# Altium PCB carrier.PcbDoc (part 3 of 5) (continued)
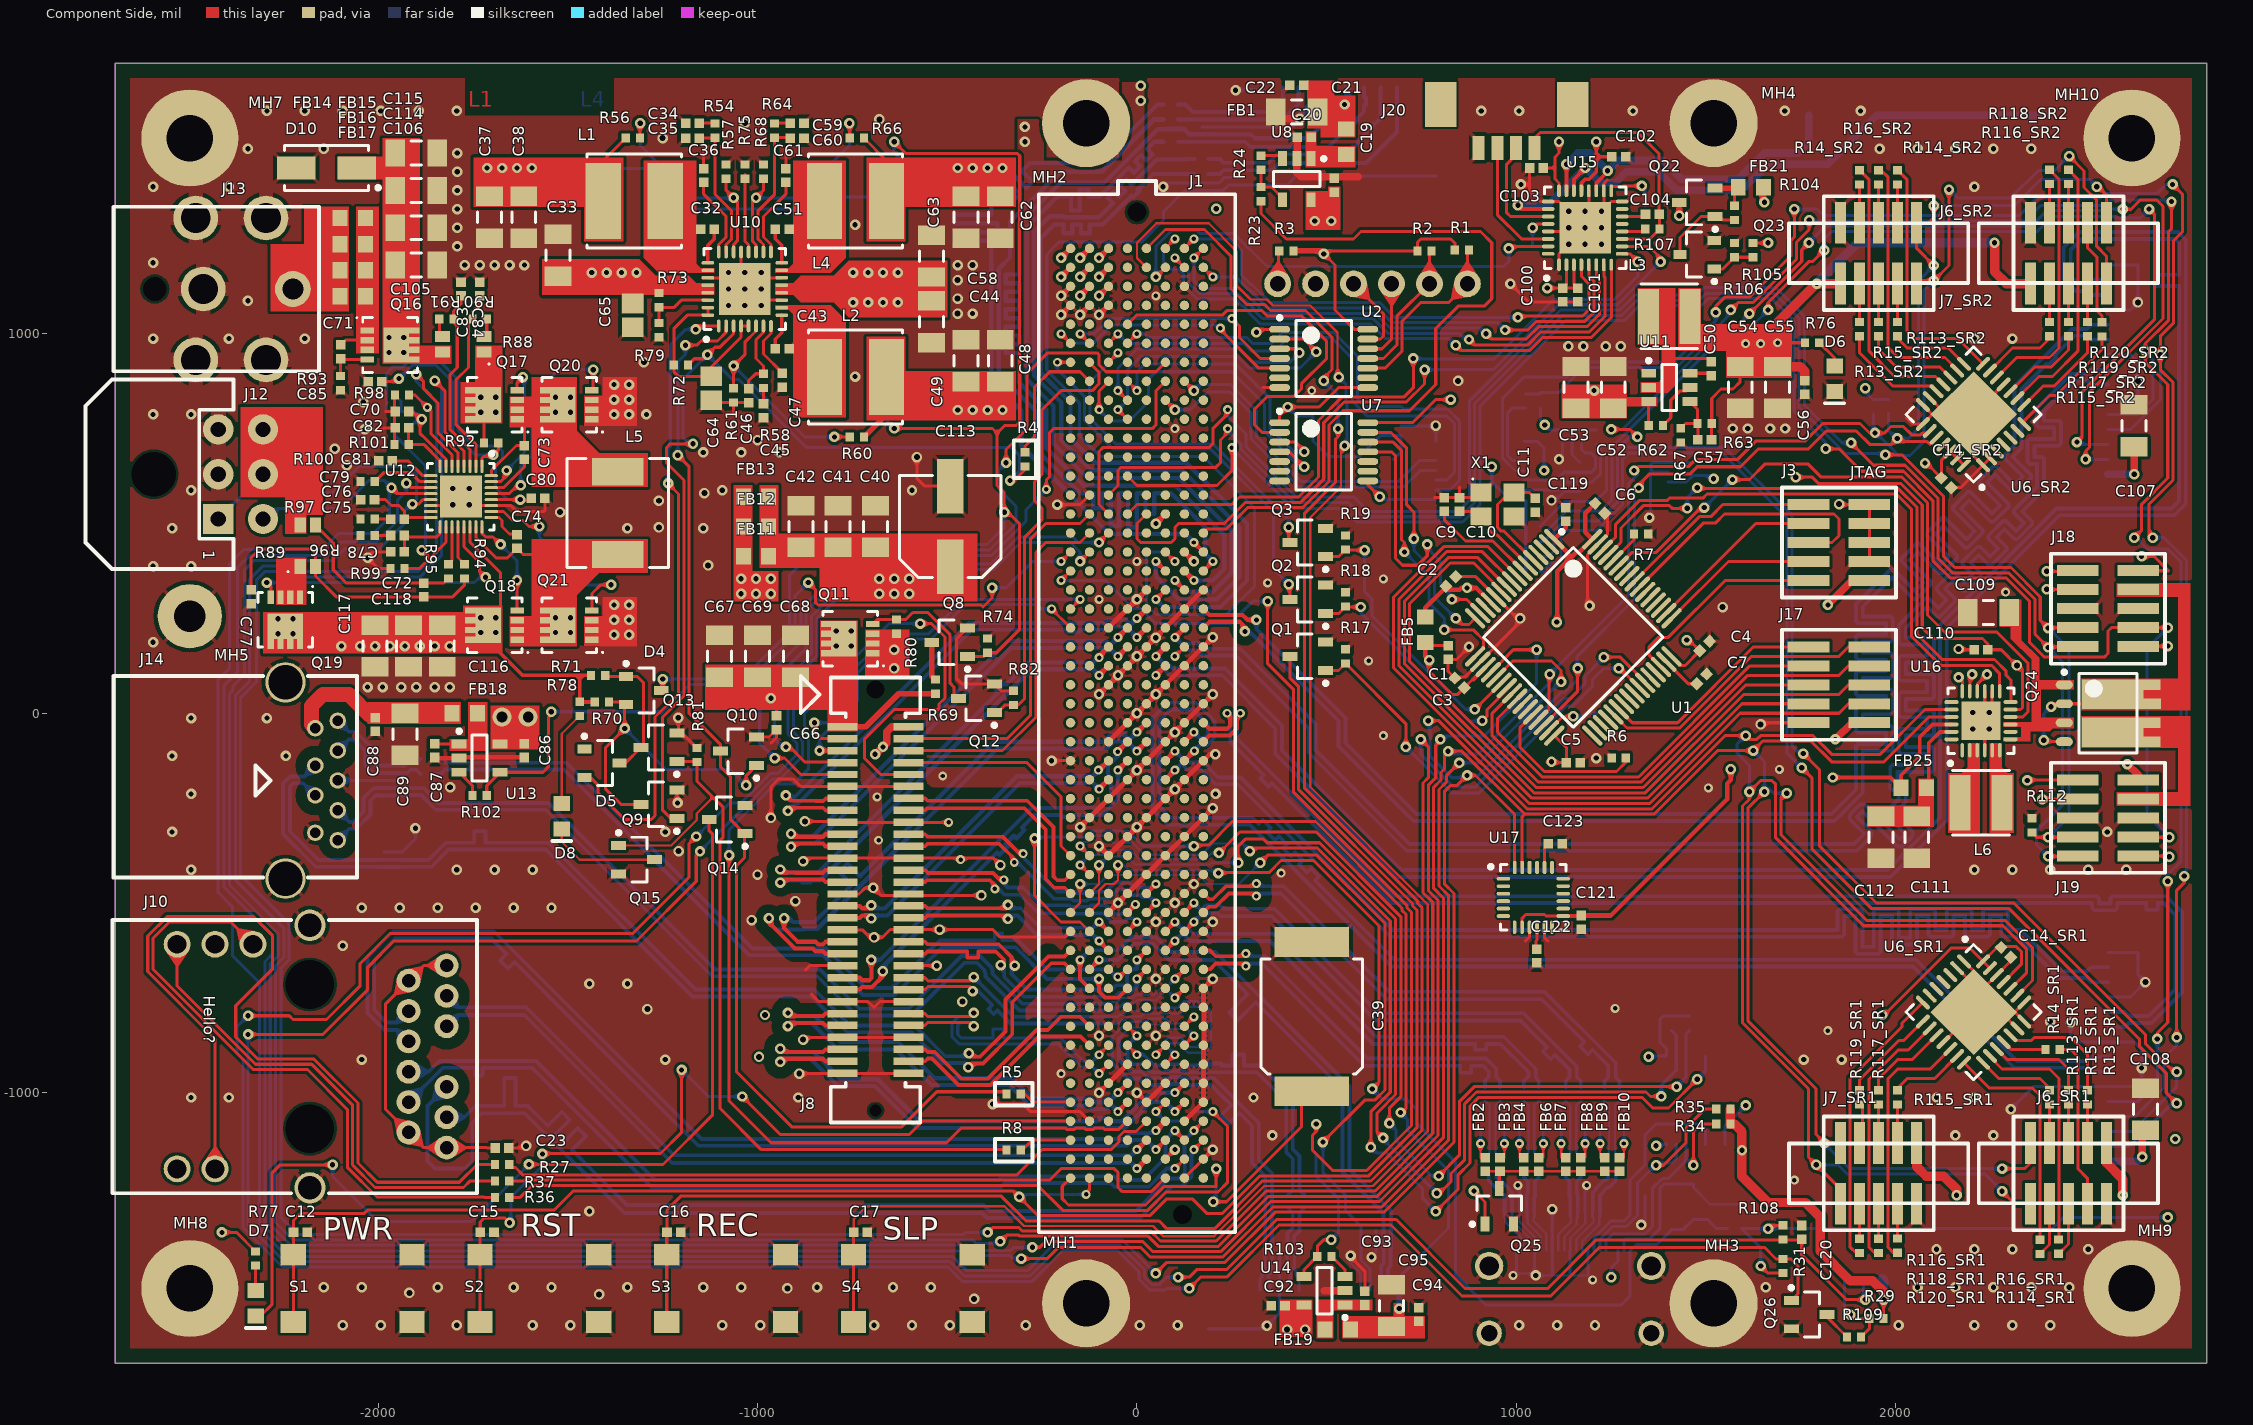
[diagram p0: Component Side view]
## Nets (pads, with @x,y where several pads share a name; then routed paths per layer and width w, separated by ;. In a path a pad name is that pad's centre, name@x,y a point inside that pad or via, vN(x,y) a via of type N, cw(c..) or ccw(c..) an arc to the next point about the centre after c; other vN are vias at no path point) (continued)
I2C_CAM2.SCL: J5.13 R130.1 U3.20 | length 2843.4
  Component Side w8: v1(1663.39,1062.88) 1663.39,1082.56 1771.77,1190.94 1781.5,1190.94 v1(1811.02,1220.47) ; v1(2477.24,714.57) 2491.14,728.46 2491.14,847.44 2681.1,1037.4 2681.1,1314.96 v1(2667.32,1328.74)
  Solder Side w8: R130.1@1062.01,492.13 1128.27,558.39 U3.20@1167.64,558.39 1207.99,558.39 1238,588.39 1238,687.6 1554.34,1003.94 1604.33,1003.94 1663.27,1062.88 v1(1663.39,1062.88) ; v1(1811.02,1220.47) 1811.02,1250 1830.71,1269.68 2372.39,1269.68 2411.76,1309.06 2574.64,1309.06 2578.74,1304.96 2644.96,1304.96 2667.32,1327.32 v1(2667.32,1328.74) ; v1(2477.24,714.57) 2471.34,708.66 J5.13@2559.06,708.66
I2C_CAM2.SDA: J5.14 R129.1 U3.19 | length 3070.8
  Component Side w8: v1(1250,748.03) 1299.21,748.03 v1(1318.9,728.35) ; v1(1614.17,1053.15) 1751.97,1190.94 1751.97,1221.37 v1(1770.76,1240.16) ; v1(2500,669.29) 2500,690.32 2509.84,700.16 2509.84,846.34 2704,1040.5 2704,1336 2687.48,1352.52 2643.86,1352.52 2618.11,1326.77 2616.14,1328.74 v1(2598.42,1328.74)
  Solder Side w8: R129.1@1062.01,452.76 1072.83,452.76 1085.07,465 1085.07,485.78 1132.09,532.8 U3.19@1167.64,532.8 1221.77,532.8 1252,563.02 1252,681.8 1298.55,728.35 v1(1318.9,728.35) ; v1(1250,748.03) 1278.63,748.03 1548.54,1017.94 1578.96,1017.94 v1(1614.17,1053.15) ; v1(1770.76,1240.16) 1814.29,1283.68 2356.52,1283.68 2397.42,1324.58 2555.01,1324.58 2559.17,1328.74 v1(2598.42,1328.74) ; v1(2500,669.29) J5.14@2559.06,669.29
JTCK: J3.4 U1.49 | length 423.2
  Component Side w8: U1.49@1408.9,250.11 1558.79,400 J3.4@1770,400
JTDI: J3.8 U1.50 | length 472.8
  Component Side w8: U1.50@1394.98,264.03 1630.95,500 J3.8@1770,500
JTDO: J3.6 U1.55 | length 740.8
  Component Side w8: U1.55@1325.38,333.63 1493.73,501.97 1525.59,501.97 1548.62,525 1837.2,525 1850,512.2 1850,468.11 1831.89,450 J3.6@1770,450
JTMS: J3.2 U1.46 | length 558.3
  Component Side w8: U1.46@1381.06,122.05 1350,153.11 1350,175 1375,200 1400,200 1550,350 J3.2@1770,350
MCU_SCL: D9.C2 J6_SR1.9 J6_SR2.9 J7_SR1.9 J7_SR2.9 R9.1 R84.1 U1.29 U6_SR1.23 U6_SR2.23 U12.13 U16.21 U17.23 | length 15431.2
  Component Side w8: v1(-1909.45,551.18) -1893.7,551.18 -1881.89,562.99 U12.13@-1861.22,562.99 ; v1(-275.59,-1407.48) -255.91,-1407.48 -240.43,-1392 15.48,-1392 42.43,-1418.95 220.64,-1418.95 352.64,-1286.96 639.23,-1286.96 807.54,-1118.65 807.54,-486.76 782,-461.21 782,-195.2 801.4,-175.8 801.4,-156 810,-147.4 810,-110 v1(820,-100) 856.21,-100 1021.95,-265.75 ; U17.23@1015.07,-406.5 1015.07,-272.63 1021.95,-265.75 ; U1.29@1058.13,-17.14 1086.02,10.74 1086.02,101.11 v1(1087.93,103.02) ; v1(1310.24,639.76) 1320.47,650 1453.15,650 1472.44,669.29 1583.05,669.29 1630.67,716.91 1760.22,716.91 1807.09,763.78 1905.51,763.78 1930.62,738.67 v1(1945.04,738.67) 1945.52,738.19 1969.67,738.19 1987.38,755.91 2019.69,755.91 2041.68,733.91 2065.16,733.91 2069.65,738.41 2079.84,738.41 2081.6,736.66 U6_SR2.23@2089.19,744.25 ; v1(1653.54,-206.69) 1610,-250.24 1610,-810 1790,-990 1790,-1110 1812.4,-1132.4 J7_SR1.9@1854.72,-1132.4 ; v1(1712.6,-210.79) 1697.07,-226.32 1697.07,-320.15 1922.92,-546 2288.24,-546 2360,-617.76 2360,-704.51 U6_SR1.23@2320.26,-744.25 ; J6_SR2.9@2054.72,1132.4 2062.32,1140 v1(2099.72,1140) 2140,1180.28 v1(2140,1380) ; U16.21@2146.65,-9.84 2086.61,-9.84 1968.5,-127.95 1830.71,-127.95 1775.81,-73.06 1649.39,-73.06 v1(1624.02,-98.43) 1530.37,-98.43 1363.05,-265.75 1021.95,-265.75 ; v1(2280,-1200) 2340,-1200 2354.72,-1185.28 J6_SR1.9@2354.72,-1132.4 ; v1(2456.69,1468.5) 2496.06,1429.13 2496.06,1385.83 2529.22,1352.67 2529.22,1230.62 2554.72,1205.12 J7_SR2.9@2554.72,1132.4
  Solder Side w8: R84.1@-2161.3,580 -2121.14,580 D9.C2@-2087.4,613.74 -2051.14,650 -1918.62,650 -1898.62,630 -1898.62,562.01 v1(-1909.45,551.18) -1909.45,554.33 -1930.71,533.07 -1930.71,499.28 -1996.25,433.74 -2087.91,433.74 -2119.3,402.35 -2326.85,402.35 -2352.36,376.84 -2352.36,101.25 -2381.89,71.72 -2381.89,60.97 -2391.73,51.13 -2391.73,-452.76 -2263.78,-580.71 -2263.78,-639.54 -2284.09,-659.85 -2284.09,-1347.91 -2230.13,-1401.88 -448.52,-1401.88 -434.77,-1415.62 -332.94,-1415.62 -324.8,-1407.48 v1(-275.59,-1407.48) ; v1(820,-100) 820,-101.4 825.74,-107.14 859.27,-107.14 859.32,-107.19 899.57,-107.19 1093.93,87.17 1093.93,97.01 v1(1087.93,103.02) 1295.28,310.37 1295.28,605.28 1320,630 v1(1310.24,639.76) ; v1(1624.02,-98.43) 1653.54,-127.95 v1(1653.54,-206.69) 1663.44,-196.79 1677.44,-210.79 v1(1712.6,-210.79) ; v1(1811.14,-1133.66) 1877.48,-1200 v1(2280,-1200) ; R9.1@1940.94,788.39 1940.94,742.77 v1(1945.04,738.67) 1948.5,738.67 1996.22,690.95 1996.22,689.02 2006.1,679.13 2037.4,679.13 2073.78,715.51 2073.78,1114.06 v1(2099.72,1140) ; v1(2140,1380) 2161.73,1358.27 2303.15,1358.27 2374.88,1430 2418.19,1430 v1(2456.69,1468.5)
MCU_SDA: D9.C1 J6_SR1.10 J6_SR2.10 J7_SR1.10 J7_SR2.10 R10.1 R83.1 U1.30 U6_SR1.24 U6_SR2.24 U12.12 U16.20 U17.24 | length 15869.2
  Component Side w8: v1(-1964.57,594.49) -1948.82,578.74 U12.12@-1861.22,578.74 ; v1(49.21,-1476.38) 78.64,-1446.95 232.24,-1446.95 364.24,-1314.96 650.83,-1314.96 835.54,-1130.25 835.54,-475.16 810,-449.61 810,-206.8 825.93,-190.87 843.03,-190.87 v1(870,-163.9) 892.24,-163.9 995.39,-267.04 U17.24@995.39,-406.5 ; v1(767.72,-19.68) 795.69,-19.68 1027.75,-251.75 1357.25,-251.75 1549.94,-59.06 v1(1604.33,-59.06) 1614.17,-68.9 1633.74,-68.9 1643.59,-59.06 1781.61,-59.06 1830.82,-108.27 1958.66,-108.27 2076.77,9.84 U16.20@2146.65,9.84 ; U1.30@1072.05,-31.06 1161.42,58.3 v1(1161.42,118.11) ; v1(1322.39,593.6) 1322.39,602.39 1350,630 1456.77,630 1476.38,649.61 1590.55,649.61 1637.8,696.85 1769.53,696.85 1816.77,744.09 1895.51,744.09 1930.94,708.66 1988.19,708.66 v1(2003.94,724.41) 2012.53,715.82 2082.64,715.82 2089.79,708.66 U6_SR2.24@2107.29,726.16 ; J7_SR1.10@1854.72,-1292.4 1854.72,-1254.72 v1(1790,-1190) 1770,-1170 1770,-989.8 1596,-815.8 1596,-244.44 1614.17,-226.26 1614.17,-214.17 1606.69,-206.69 v1(1614.17,-206.69) 1643.7,-177.17 1673.23,-177.17 1683.07,-187.01 1683.07,-328.37 1914.7,-560 2282.44,-560 2344.62,-622.18 2344.62,-683.69 U6_SR1.24@2302.16,-726.16 ; v1(2100,1180) 2054.72,1225.28 J6_SR2.10@2054.72,1292.4 2086.06,1292.4 2100,1306.34 v1(2100,1337.68) ; v1(2280,-1260) 2312.4,-1292.4 J6_SR1.10@2354.72,-1292.4 ; v1(2529.53,1387.8) 2533.46,1387.8 2554.72,1366.54 J7_SR2.10@2554.72,1292.4
  Solder Side w8: R83.1@-2161.3,540 -2097.8,540 -2024.06,613.74 D9.C1@-2012.6,613.74 -1983.82,613.74 v1(-1964.57,594.49) -1970.47,588.58 -1970.47,515.75 -2012.72,473.5 -2104.38,473.5 -2146.23,431.66 -2353.77,431.66 -2392.13,393.31 -2392.13,117.72 -2421.26,88.58 -2421.26,-472.44 -2384.09,-509.61 -2384.09,-638.27 -2312.99,-709.37 -2312.99,-1358.66 -2240.33,-1431.32 -486.62,-1431.32 -448.95,-1468.99 -287.89,-1468.99 -206.69,-1387.8 -39.37,-1387.8 v1(49.21,-1476.38) ; v1(767.72,-19.68) 771.81,-23.78 771.81,-112.13 829.68,-170 857.8,-170 v1@870,-157.8 ; v1@873.1,-154.7 v1@870,-157.8 ; v1(1161.42,118.11) 1161.42,88.59 1160,87.17 ; v1(1322.39,593.6) 1311.02,582.23 1311.02,301.02 1160,150 1160,87.17 ; v1(1604.33,-59.06) 1580.78,-82.61 1580.78,-104.16 1614.17,-137.56 v1(1614.17,-206.69) ; v1(1790,-1190) 1847.68,-1190 1871.68,-1214 2234,-1214 v1(2280,-1260) ; R10.1@1980.32,789.37 1980.32,746.06 2001.97,724.41 v1(2003.94,724.41) 2033.46,724.41 2059.78,750.72 2059.78,1140 2060,1140 v1(2100,1180) ; v1(2100,1337.68) 2312.09,1337.68 2381.5,1407.09 2510.24,1407.09 v1(2529.53,1387.8) ; v1@870,-157.8 v1(870,-163.9) 899.09,-163.9 1118.11,55.12 1127.84,55.12 1145.83,73.11 1145.94,73.11 1160,87.17
MDI0_N: J1.E49 J10.10 | length 2034.6
  Component Side w13.4: v3(-0.22,-1199.78) 0.22,-1199.78 J1.E49@25,-1175
  Solder Side w10: J10.10@-1819.53,-824.79 -1790.03,-795.29 -1614.71,-795.29 -1224.5,-1185.5 -14.5,-1185.5 v3(-0.22,-1199.78)
MDI0_P: J1.E48 J10.11 | length 2035
  Component Side w13.4: v3(0,-1150) J1.E48@25,-1125
  Solder Side w10: J10.11@-1819.53,-744.79 -1789.73,-774.59 -1609.96,-774.59 -1219.74,-1164.8 -14.8,-1164.8 v3(0,-1150)
MDI1_N: J1.F48 J10.5 | length 2659.6
  Component Side w10: v3(49.78,-1149.78) 50.22,-1149.78 J1.F48@75,-1125
  Solder Side w10: J10.5@-1919.53,-784.79 -1949.53,-814.79 -1977.46,-814.79 -2010,-782.24 -2010,-650 -1952.73,-592.73 -1702.73,-592.73 -1692.91,-602.54 -1682.31,-613.15 -1661.09,-634.36 -1678.28,-651.55 -1657.07,-672.76 -1639.88,-655.58 -1487.29,-808.16 -1155.46,-1140 -25.75,-1140 -10.47,-1124.72 24.72,-1124.72 v3(49.78,-1149.78)
MDI1_P: J1.F47 J10.4 | length 2664
  Component Side w14: v3(50,-1100) J1.F47@75,-1075
  Solder Side w10: J10.4@-1919.53,-864.79 -1949.53,-834.79 -1982.91,-834.79 -2028,-789.7 -2028,-642.54 -1960.18,-574.73 -1695.27,-574.73 -1148,-1122 -33.21,-1122 -17.93,-1106.72 43.28,-1106.72 v3(50,-1100)
MDI2_N: J1.G49 J10.2 | length 2288
  Component Side w8: v3(100,-1200) J1.G49@125,-1175
  Solder Side w10: J10.2@-1919.53,-1024.79 -1919.53,-1024.69 -1828.98,-934.14 -1775,-934.14 -1765,-934.14 -1748,-934.14 cw(c-1748,-937.14) -1745,-937.14 -1745,-951.56 ccw(c-1742,-951.56) -1742,-954.56 -1728,-954.56 ccw(c-1728,-951.56) -1725,-951.56 -1725,-937.14 cw(c-1722,-937.14) -1722,-934.14 -1650,-934.14 -1594.14,-934.14 -1278.28,-1250 -360,-1250 -348,-1238 -69.46,-1238 -59.46,-1248 31.53,-1248 79.53,-1200 v3(100,-1200)
MDI2_P: J1.G48 J10.3 | length 2286.1
  Component Side w10: v3(100,-1100) J1.G48@125,-1125
  Solder Side w10: J10.3@-1919.53,-944.79 -1867.2,-944.79 -1838.56,-916.14 -1583.86,-916.14 -1270,-1230 -365.46,-1230 -355.46,-1220 -60,-1220 -50,-1230 16.44,-1230 75,-1171.44 75,-1125 v3(100,-1100)
MDI3_N: J1.H48 J10.9 | length 2626.9
  Component Side w8: v3(150,-1150) J1.H48@175,-1125
  Solder Side w10: J10.9@-1819.53,-984.79 -1870,-1035.26 -1870,-1180 -1850,-1200 -1770.87,-1200 -1751.97,-1181.1 -1751.97,-1079.42 -1726.69,-1054.14 -1614.14,-1054.14 -1350.97,-1317.31 -408.14,-1317.31 -395.46,-1330 8.58,-1330 92.3,-1246.28 119.17,-1246.28 143.85,-1221.6 143.85,-1156.15 v3(150,-1150)
MDI3_P: J1.H47 J10.8 | length 2639.1
  Component Side w8: v3(150,-1100) J1.H47@175,-1075
  Solder Side w10: J10.8@-1819.53,-1064.79 -1773.07,-1064.79 -1742.43,-1034.14 -1727.43,-1034.14 -1697.43,-1034.14 -1667.43,-1034.14 -1667.43,-961 -1637.43,-961 -1637.43,-1034.14 -1607.43,-1034.14 -1605.86,-1034.14 -1595.25,-1044.75 -1574.04,-1065.96 -1552.82,-1087.18 -1515.96,-1050.31 -1494.75,-1071.52 -1531.61,-1108.39 -1510.4,-1129.6 -1473.53,-1092.74 -1452.32,-1113.95 -1489.19,-1150.81 -1466.54,-1173.46 -1456.6,-1183.4 ; -1447.95,-1192.05 -1456.6,-1183.4 ; v3(150,-1100) 125.19,-1124.81 125.19,-1160.28 125.85,-1160.94 125.85,-1211.31 110.89,-1226.28 82.78,-1226.28 -2.94,-1312 -388,-1312 -404.14,-1295.86 -1344.14,-1295.86 -1397.64,-1242.36 -1456.6,-1183.4
NetC2_1: C2.1 FB5.2 U1.13 | length 234.8
  Component Side w12: FB5.2@760,253.46 760,277.79 807.98,325.78 850,325.78 854.4,330.18 v1(869.82,330.18) 894.54,330.18 U1.13@932.86,291.87
NetC7_1: C7.1 U1.47 | length 104.5
  Component Side w8: U1.47@1394.98,135.97 1453.21,77.75 C7.1@1475.38,77.75
NetC8_1: C8.1 U1.31 | length 144.9
  Component Side w8: U1.31@1085.97,-44.98 1121.11,-9.84 1147.64,-9.84 v1(1149.61,-7.87)
  Solder Side w8: v1(1149.61,-7.87) 1173.23,-7.87 1181.1,0 C8.1@1212.2,0
NetC9_1: C9.1 U1.7 | length 284
  Component Side w8: C9.1@810,531.89 810,510 866,454 937.76,454 U1.7@1016.37,375.38
NetC10_1: C10.1 U1.6 X1.1 | length 239.1
  Component Side w8: C10.1@850,531.89 893.31,531.89 X1.1@906.69,518.5 930,495.2 930,481.56 941.56,470 949.8,470 U1.6@1024.49,395.3
NetC11_1: C11.1 U1.5 X1.3 | length 309.5
  Component Side w8: U1.5@1044.21,403.22 967.44,480 960,480 950,490 950,550 981.5,581.5 X1.3@993.31,581.5 1034.72,581.5 C11.1@1050,566.22
NetC12_2: C12.2 J1.B50 Q1.D S1.1 | length 5032.5
  Component Side w8: S1.1@-2223.43,-1604.33 S1.1@-2223.43,-1427.17 -2223.43,-1368.7 C12.2@-2222.83,-1368.11 -2222.83,-1337.01 -2204.72,-1318.9 -2037.4,-1318.9 -2027.56,-1309.06 -1535.43,-1309.06 -1484.92,-1258.54 -326.11,-1258.54 v1(-310,-1274.65) -260.65,-1324 33.88,-1324 78.35,-1279.53 145.67,-1279.53 185.04,-1318.9 224.33,-1318.9 324.27,-1218.96 611.06,-1218.96 737.54,-1092.48 737.54,-518.75 726,-507.21 726,-501.38 426,-201.38 426,70.06 402.76,93.31 Q1.D@402.76,150 ; v3(-133.86,-1267.72) -137.72,-1267.72 -125,-1255 J1.B50@-125,-1225
  Solder Side w8: v1(-310,-1274.65) -304.65,-1280 -292.36,-1267.72 v3(-133.86,-1267.72)
NetC15_2: C15.2 J1.A47 S2.1 | length 2231.7
  Component Side w8: S2.1@-1731.3,-1604.33 S2.1@-1731.3,-1427.17 C15.2@-1731.3,-1368.11 ; C15.2@-1730.71,-1368.11 -1730.71,-1340.71 -1720.71,-1330.71 -1665.35,-1330.71 v1(-1653.54,-1342.52) ; v1(-1566.93,-1161.42) -1565.51,-1160 -1255.46,-1160 -1200,-1104.54 v1(-1200,-940) ; v1(-1040,-1010) -940,-1110 -600,-1110 -565,-1075 J1.A47@-175,-1075
  Solder Side w8: v1(-1653.54,-1342.52) -1649.61,-1338.58 -1649.61,-1275.59 -1566.93,-1192.91 v1(-1566.93,-1161.42) ; v1(-1200,-940) -1130,-1010 v1(-1040,-1010)
NetC16_2: C16.2 J1.E1 S3.1 | length 5401.8
  Component Side w8: S3.1@-1239.17,-1604.33 S3.1@-1239.17,-1427.17 C16.2@-1239.17,-1368.11 ; C16.2@-1238.58,-1368.11 -1238.58,-1308.58 -1202.54,-1272.54 -357.46,-1272.54 -292,-1338 58.47,-1338 78.74,-1358.27 204.76,-1358.27 330.07,-1232.96 616.86,-1232.96 751.54,-1098.28 751.54,-512.95 740,-501.41 740,-495.58 440.94,-196.52 440.94,525.94 523.46,608.46 523.46,722.45 530,728.98 v1(530,750) ; J1.E1@25,1225 75,1275 177.76,1275 248.03,1204.72 248.03,1118.11 289.15,1076.99 336.39,1076.99 352.14,1061.24 443.99,1061.24 514,991.23 514,906 492.13,884.13 v1(492.13,875.98)
  Solder Side w8: v1(492.13,875.98) 530,838.11 v1(530,750)
NetC17_2: C17.2 J1.E2 S4.1 | length 5031.6
  Component Side w6: C17.2@-746.46,-1368.11 -746.46,-1333.07 -712.6,-1299.21 -349.17,-1299.21 -297.38,-1351 41.94,-1351 68.9,-1377.95 203.46,-1377.95 335.45,-1245.96 622.25,-1245.96 766.54,-1101.67 766.54,-503.74 456.69,-193.89 456.69,515.75 538,597.06 538,703.35 539.37,704.72 v1(547.24,704.72) ; J1.E2@25,1175 0,1200 0,1240.16 51.18,1291.34 188.98,1291.34 263.78,1216.54 263.78,1125.98 299.21,1090.55 342.52,1090.55 358.27,1074.8 456.69,1074.8 528.34,1003.16 528.34,888.98 v1(531.5,885.83)
  Component Side w8: S4.1@-747.05,-1604.33 S4.1@-747.05,-1427.17 -747.05,-1368.7 C17.2@-746.46,-1368.11
  Solder Side w8: v1(531.5,885.83) 551.18,866.14 551.18,816.93 553.78,814.33 553.78,711.26 v1(547.24,704.72)
NetC20_2: C20.2 FB1.1 U8.1
NetC21_2: C21.2 C22.2 FB1.2 J9.4 | length 127.6
  Component Side w8: C22.2@476.38,1584.65 496.06,1604.33 v7(547.24,1604.33)
  Solder Side w20: v7(547.24,1604.33) 555.31,1612.4 J9.4@555.31,1649.61
NetC23_2: C23.2 J10.1 J10.6 J10.7 J10.12 | length 811.8
  Component Side w8: J10.12@-1819.53,-664.79 -1879.53,-664.79 J10.6@-1919.53,-704.79 -1980,-765.26 -1980,-1044.31 J10.1@-1919.53,-1104.79 -1879.53,-1144.79 J10.7@-1819.53,-1144.79 -1714.08,-1144.79 -1713.2,-1145.67 C23.2@-1691.34,-1145.67
NetC32_1: C32.1 L1.1 U10.26 | length 9.3
  Component Side w10: L1.1@-1243.11,1341.14 L1.1@-1243.11,1350.39
NetC32_2: C32.2 U10.25 | length 95.7
  Component Side w10: U10.25@-1130.91,1187.01 -1130.91,1233.27 -1113.78,1250.39 C32.2@-1113.78,1275.59
NetC34_2: C34.2 R54.1 | length 41.4
  Component Side w8: C34.2@-1153.15,1555.12 -1113.19,1555.12 R54.1@-1112.2,1554.13
NetC35_2: C35.2 R54.2 U10.23 | length 366.4
  Component Side w8: C35.2@-1153.15,1515.75 -1113.19,1515.75 R54.2@-1112.2,1516.73 -1112.2,1368.11 -1068.68,1324.58 -1068.68,1249.12 -1082.68,1235.12 U10.23@-1082.68,1215.55
NetC36_2: C36.2 U10.24 | length 216.3
  Component Side w8: C36.2@-1141.73,1399.21 -1141.73,1368.11 -1082.68,1309.06 -1082.68,1254.92 -1102.36,1235.24 U10.24@-1102.36,1215.55
NetC43_1: C43.1 L2.1 U10.10 | length 143.8
  Component Side w10: U10.10@-936.02,1068.9 -913.39,1068.9 -899.61,1055.12 -899.61,977.95 C43.1@-916.93,960.63
NetC43_2: C43.2 U10.9 | length 95.7
  Component Side w10: C43.2@-953.15,960.63 -953.15,985.83 -936.02,1002.95 U10.9@-936.02,1049.21
NetC45_2: C45.2 R58.1 | length 41.9
  Component Side w8: C45.2@-984.25,815.35 R58.1@-984.25,857.28
NetC46_2: C46.2 R58.2 U10.7 | length 210.7
  Component Side w8: C46.2@-1023.62,854.72 -1023.62,875.98 -1004.92,894.69 R58.2@-984.25,894.69 -984.25,915.35 -1003.94,935.04 -1003.94,984.25 -984.25,1003.94 U10.7@-984.25,1020.67
NetC47_2: C47.2 U10.8 | length 153.5
  Component Side w8: U10.8@-964.57,1020.67 -964.57,1000.98 -984.25,981.3 -984.25,946.54 -935.04,897.32 C47.2@-935.04,895.67
NetC50_1: C50.1 L3.1 U11.2 | length 246.7
  Component Side w8: U11.2@1348.7,858.66 1350.67,856.69 1400.87,856.69 1402.83,858.66 1402.83,935.43 1503.62,935.43 C50.1@1513.07,925.98
NetC50_2: C50.2 U11.6 | length 58.7
  Component Side w8: U11.6@1456.97,896.06 1506.77,896.06 C50.2@1513.07,889.76
NetC51_1: C51.1 L4.1 U10.15
NetC51_2: C51.2 U10.16 | length 95.7
  Component Side w10: C51.2@-953.15,1275.59 -953.15,1250.39 -936.02,1233.27 U10.16@-936.02,1187.01
NetC57_2: C57.2 R63.1 R67.2 U11.4 | length 159.1
  Component Side w8: R67.2@1433.07,750.98 1445.87,763.78 R63.1@1477.36,763.78 ; U11.4@1456.97,821.26 1477.36,800.87 R63.1@1477.36,763.78 ; C57.2@1477.95,720.47 1477.95,763.19 R63.1@1477.36,763.78
NetC59_2: C59.2 R64.1 | length 41.4
  Component Side w8: R64.1@-954.72,1554.13 -953.74,1555.12 C59.2@-913.78,1555.12
NetC60_2: C60.2 R64.2 U10.18 | length 366.4
  Component Side w8: U10.18@-984.25,1215.55 -984.25,1235.12 -998.25,1249.12 -998.25,1324.58 -954.72,1368.11 R64.2@-954.72,1516.73 -914.76,1516.73 C60.2@-913.78,1515.75
NetC61_2: C61.2 U10.17 | length 216.3
  Component Side w8: U10.17@-964.57,1215.55 -964.57,1235.24 -984.25,1254.92 -984.25,1309.06 -925.2,1368.11 C61.2@-925.2,1399.21
NetC64_2: C64.2 R72.1 U10.4 U10.5 U10.31 U10.32 | length 526.3
  Component Side w8: U10.31@-1130.91,1068.9 U10.32@-1130.91,1049.21 -1185.04,1049.21 -1220.57,1013.69 R72.1@-1220.57,917.48 -1220.57,900.33 -1208.03,887.8 C64.2@-1122.05,887.8 -1122.05,912.4 -1043.31,991.14 U10.4@-1043.31,1020.67 U10.5@-1023.62,1020.67
NetC70_2: C70.2 R85.1 R86.1 R87.2 U12.7 | length 352.3
  Component Side w8: C70.2@-1918.9,795.28 -1909.06,795.28 v1@-1889.76,775.98 ; v1(-1885,775) -1888.78,775 v1@-1889.76,775.98 ; U12.7@-1820.87,650.59 -1820.87,669.41 -1874.12,722.66 -1874.24,722.66 -1889.76,738.19 v1@-1889.76,775.98
  Solder Side w8: R85.1@-1955.71,838.58 -1939.96,822.83 R87.2@-1939.96,795.28 -1918.31,795.28 -1905.28,795.28 v1(-1885,775) -1895.28,775 R86.1@-1918.31,751.97
NetC71_1: C71.1 Q16.G R93.2 | length 117.2
  Component Side w8: R93.2@-2098.43,888.78 C71.1@-2098.43,934.65 -2095.87,932.09 Q16.G@-2028.15,932.09
NetC72_1: C72.1 R89.S2 R95.2 | length 459.9
  Component Side w8: R89.S2@-2164.96,495.63 -2118.11,448.78 -2118.11,377.95 -2083.07,342.91 C72.1@-1879.92,342.91 -1827.36,342.91 R95.2@-1814.96,355.31
NetC72_2: C72.2 C77.1 R89.S1 R94.2 | length 773.9
  Component Side w8: C77.1@-2334.65,325.2 -2334.65,409.45 -2311.02,433.07 -2177.17,433.07 -2164.96,420.87 R89.S1@-2164.96,386.26 -2164.96,361.81 -2109.84,306.69 C72.2@-1879.92,306.69 -1803.54,306.69 -1771.65,338.58 R94.2@-1771.65,355.31
NetC73_1: C73.1 U12.30 | length 126.6
  Component Side w8: U12.30@-1701.77,594.49 -1669.29,594.49 -1614.17,649.61 C73.1@-1614.17,665.75
NetC74_1: C74.1 U12.25 | length 97.9
  Component Side w8: U12.25@-1701.77,515.75 -1681.1,515.75 -1673.23,507.87 -1673.23,492.13 -1653.54,472.44 -1640.75,472.44 C74.1@-1633.86,479.33
NetC75_1: C75.1 C78.1 U12.17 | length 158.6
  Component Side w8: C78.1@-1930.71,425.2 C75.1@-1930.71,465 ; C75.1@-1930.71,468.5 C75.1@-1930.71,465 ; U12.17@-1836.61,491.14 -1836.61,473.39 -1845,465 C75.1@-1930.71,465
NetC75_2: C75.2 R96.2 | length 41.9
  Component Side w8: R96.2@-2008.86,468.5 C75.2@-1966.93,468.5
NetC76_1: C76.1 C79.1 U12.16 | length 183.5
  Component Side w8: C79.1@-2009.45,562.99 -1980.31,562.99 -1964.57,547.24 -1944.88,547.24 -1930.71,533.07 C76.1@-1930.71,511.81 -1926.77,515.75 U12.16@-1861.22,515.75
NetC76_2: C76.2 R97.2 | length 41.9
  Component Side w8: R97.2@-2008.86,511.81 C76.2@-1966.93,511.81
NetC80_1: C80.1 R87.1 U12.28 | length 871.6
  Component Side w8: U12.28@-1701.77,562.99 v1(-1625,562.99) -1613.19,562.99 -1611.22,561.02
  Solder Side w8: R87.1@-1977.36,795.28 -1977.36,896.65 -1961.18,912.83 -1933.9,912.83 -1915.25,931.48 -1841.68,931.48 -1789.15,878.95 -1789.15,745.96 -1748.08,704.88 -1686.02,704.88 -1672.09,690.95 -1672.09,671.25 -1690,653.34 -1690,595.02 -1657.97,562.99 v1(-1625,562.99)
NetC81_2: C81.2 U12.9 | length 117.3
  Component Side w8: C81.2@-1962.2,665.35 -1921.26,665.35 -1881.89,625.98 U12.9@-1861.22,625.98
NetC82_2: C82.2 R101.2 U12.8 | length 158.7
  Component Side w8: C82.2@-1919.29,751.97 R101.2@-1919.29,708.66 -1879.92,708.66 -1836.61,665.35 U12.8@-1836.61,650.59
NetC83_2: C83.2 R90.1 U12.3 | length 491
  Component Side w8: C83.2@-1781.5,1100 -1781.5,1078.74 -1801.18,1059.06 R90.1@-1801.18,1039.37 -1801.18,1029.53 -1791.34,1019.68 -1791.34,911.42 -1810,892.76 -1810,747.01 -1757.87,694.88 U12.3@-1757.87,650.59
NetC84_2: C84.2 R91.1 U12.2 | length 497.9
  Component Side w8: U12.2@-1742.13,650.59 -1742.13,708.66 -1795,761.54 -1795,878.23 -1761.81,911.42 -1761.81,1029.53 -1751.97,1039.37 R91.1@-1750.98,1039.37 -1750.98,1060.04 -1732.28,1078.74 C84.2@-1732.28,1100
NetC85_2: C85.2 R92.1 U12.1 | length 580.7
  Component Side w8: C85.2@-1989.76,874.02 -1952.76,874.02 v1(-1944.88,881.89) ; U12.1@-1726.38,650.59 -1726.38,671.26 -1720.47,677.17 -1699.8,677.17 v1(-1695.87,681.1) -1683.07,693.9 R92.1@-1683.07,712.6
  Solder Side w8: v1(-1944.88,881.89) -1923.39,903.39 -1923.39,903.55 -1909.46,917.48 -1847.48,917.48 -1803.15,873.15 -1803.15,740.16 -1743.11,680.12 -1696.85,680.12 v1(-1695.87,681.1)
NetC87_2: C87.2 FB18.1 U13.1 | length 64.1
  Component Side w8: C87.2@-1850.39,-80.31 -1850,-80.71 U13.1@-1786.42,-80.71
NetC88_2: C88.2 C89.2 FB18.2 J14.1 | length 263.5
  Component Side w39.37: J14.1@-2165.35,-39.37 -2175.2,-29.53 -2175.2,19.68 -2145.67,49.21 -2076.77,49.21 -2021.65,-5.91 C88.2@-2009.84,-5.91
NetC93_2: C93.2 FB19.1 U14.1
NetC94_2: C94.2 C95.2 FB19.2 J1.B37 J15.1 | length 2628
  Component Side w8: v4(-270,-330) -270,-480 -200,-550 -150,-550 J1.B37@-125,-575 ; v4(150,-350) 152.5,-347.5 188.92,-347.5 250.98,-285.43 470.46,-285.43 698,-512.98 698,-518.8 709.54,-530.35 709.54,-1040.46 706.69,-1043.31 706.69,-1052.17 v1(694.88,-1052.17)
  Solder Side w8: v4(-270,-330) -266.22,-326.22 -137.24,-326.22 -121.06,-310.04 -24.61,-310.04 15.35,-350 v4(150,-350) ; J15.1@690.94,-1520.67 690.94,-1486.22 820.87,-1356.3 820.87,-1205.71 712.6,-1097.44 712.6,-1069.88 v1(694.88,-1052.17)
  Solder Side w15: v7(690.94,-1569.06) J15.1@690.94,-1520.67
NetC98_2: C98.2 C99.2 Q22.D U15.17 U15.28 | length 763.3
  Component Side w8: v1(1043.31,1279.53) 1053.15,1289.37 U15.28@1083.66,1289.37 ; U15.17@1250,1376.97 1250,1387.8 1279.53,1387.8 1281.5,1389.76 v1(1330.71,1389.76)
  Component Side w15: v1(1429.13,1311.02) Q22.D@1429.13,1346.46
  Power_layer1 w15: v1(1043.31,1279.53) 1122.05,1358.27 1334.65,1358.27 ; v1(1330.71,1389.76) 1330.71,1362.2 1334.65,1358.27 ; v1(1429.13,1311.02) 1358.27,1311.02 1334.65,1334.65 1334.65,1358.27
  Solder Side w8: C98.2@1041.89,1230 1041.89,1278.11 v1(1043.31,1279.53) ; v1(1330.71,1389.76) 1338.58,1381.89 C99.2@1338.58,1337.01
NetC104_1: C104.1 U15.14 | length 60.1
  Component Side w8: U15.14@1278.54,1309.06 1335.83,1309.06 C104.1@1337.8,1311.02
NetC104_2: C104.2 J20.1 R107.1 U15.11 | length 691
  Component Side w8: J20.1@1048.23,1490.16 1048.23,1515.75 1062.99,1530.51 1319.88,1530.51 1376.38,1474.02 C104.2@1376.38,1314.96 1376.97,1314.37 R107.1@1376.97,1275.59 1351.38,1250 U15.11@1278.54,1250
NetC109_2: C109.2 Q24.E1 Q24.E2 U16.7 U16.9
NetC111_2: C111.2 C112.2 FB25.1 U16.23 | length 192.8
  Component Side w10: FB25.1@2080.71,-196.85 2086.61,-190.94 2086.61,-78.74 2116.14,-49.21 U16.23@2146.65,-49.21
NetC120_2: C120.2 J1.B17 J16.3 R108.1 | length 8338.5
  Component Side w8: v1(-2342.52,-846.46) -2145.67,-846.46 -2027.56,-728.35 -2027.56,-669.29 -1958.66,-600.39 -1318.9,-600.39 -1161.42,-442.91 -1161.42,-374.02 v1(-1151.57,-364.17) ; v4(-150,400) J1.B17@-125,425 ; v1(108.27,-1486.22) 137.8,-1486.22 157.48,-1466.54 236.22,-1466.54 368.33,-1334.43 683.13,-1334.43 864.45,-1515.75 1082.68,-1515.75 1210.71,-1387.71 1751.97,-1387.71 1751.97,-1427.17 1870.08,-1545.28 v1(1919.29,-1545.28)
  Solder Side w8: v1(-2342.52,-846.46) -2342.52,-1348.93 -2246.13,-1445.32 -492.42,-1445.32 -454.75,-1482.99 -282.09,-1482.99 -200.89,-1401.8 -45.17,-1401.8 19.68,-1466.65 19.68,-1486.22 39.37,-1505.91 59.06,-1505.91 78.74,-1486.22 v1(108.27,-1486.22) ; v1(-1151.57,-364.17) -1151.57,-364.06 -1015.3,-227.78 -1014.35,-227.78 -992.22,-205.65 -992.22,-204.7 -960.52,-173.01 -940.72,-173.01 -881.73,-114.01 -881.73,-73 -905.51,-49.21 -905.51,88.47 -843.83,150.15 -843.83,248.69 -713.45,379.07 -377.8,379.07 -306.87,450 -175,450 -150,425 v4(-150,400) ; J16.3@1914.37,-1490.16 1914.37,-1540.35 v1(1919.29,-1545.28)
NetC122_1: C122.1 U17.10 | length 59.5
  Component Side w8: C122.1@1053.15,-621.65 1051.57,-620.08 1051.57,-600.39 1054.44,-597.53 U17.10@1054.44,-563.98
NetC123_1: C123.1 U17.20 | length 66.2
  Component Side w8: U17.20@1074.13,-406.5 1074.13,-354.61 C123.1@1084.25,-344.49
NetD1_1: D1.1 J11.14 U9.10 | length 596
  Solder Side w8: J11.14@1204.72,-1415.35 1204.72,-1382.09 1248.23,-1338.58 1283.46,-1338.58 1299.21,-1322.83 D1.1@1299.21,-1302.56 D1.1@1299.21,-1272.24 1299.21,-1230.31 1338.58,-1190.94 1338.58,-1112.2 1368.11,-1082.68 1484.25,-1082.68 1498.03,-1096.46 U9.10@1498.03,-1135.83
NetD1_2: D1.2 J11.15 R35.1 U9.13 | length 649.9
  Component Side w8: v1(1368.11,-1190.94) 1387.8,-1190.94 1446.85,-1131.89 1446.85,-1092.52 1496.06,-1043.31 R35.1@1526.57,-1043.31
  Solder Side w8: J11.15@1220.47,-1415.35 1220.47,-1386.14 1254.03,-1352.58 1289.26,-1352.58 1318.9,-1322.95 D1.2@1318.9,-1302.56 D1.2@1318.9,-1272.24 1318.9,-1238.19 v1@1368.11,-1188.98 ; v1(1368.11,-1190.94) v1@1368.11,-1188.98 ; U9.13@1421.26,-1135.83 1421.26,-1173.23 1409.45,-1185.04 1372.05,-1185.04 v1@1368.11,-1188.98
NetD1_4: D1.4 J11.16 R34.1 U9.12 | length 606.8
  Component Side w8: v1(1466.53,-1190.94) 1466.53,-1102.37 1486.22,-1082.68 R34.1@1526.57,-1082.68
  Solder Side w8: J11.16@1236.22,-1415.35 1236.22,-1390.19 1254.2,-1372.2 1338.59,-1372.2 1358.27,-1352.53 D1.4@1358.27,-1302.56 D1.4@1358.27,-1272.24 1358.27,-1251.97 1383.64,-1226.6 1399.5,-1226.6 1446.85,-1179.25 ; U9.12@1446.85,-1135.83 1446.85,-1179.25 ; v1(1466.53,-1190.94) 1454.84,-1179.25 1446.85,-1179.25
NetD1_5: D1.5 J11.19 Q4.G R30.1 | length 492.9
  Solder Side w6: Q4.G@1466.54,-1240.16 1466.54,-1250 1510.83,-1294.29 R30.1@1598.43,-1294.29
  Solder Side w8: J11.19@1283.46,-1415.35 1283.46,-1389.76 1287.02,-1386.2 1350.02,-1386.2 1377.95,-1358.27 D1.5@1377.95,-1302.56 D1.5@1377.95,-1272.24 1377.95,-1252.08 1389.44,-1240.6 1466.09,-1240.6 Q4.G@1466.54,-1240.16
NetD4_A1: D4.A1 D5.C Q13.D R71.2 | length 356.1
  Component Side w8: R71.2@-1401.3,100 -1398.7,97.4 D4.A1@-1346.26,97.4 -1317.72,97.4 -1300,79.69 -1300,-82.76 Q13.D@-1307.24,-90 -1348.74,-131.5 D5.C@-1363.74,-131.5
NetD4_A2: D4.A2 Q9.D Q10.G R70.2 | length 848.3
  Component Side w8: R70.2@-1391.3,30 -1353.66,30 D4.A2@-1346.26,22.6 -1350,18.86 v1(-1350,-40) -1400,-90 -1400,-200 -1360,-240 Q9.D@-1307.24,-240 ; v1(-1030,-190) -1030,-164.65 Q10.G@-1002.76,-137.4
  Solder Side w8: v1(-1350,-40) -1242.36,-147.64 -1072.36,-147.64 v1(-1030,-190)
NetD5_A2: D5.A2 U10.1 | length 1684.6
  Component Side w8: D5.A2@-1456.26,-168.9 -1441.1,-168.9 -1420,-190 -1420,-210 -1350,-280 -1280,-280 -1270,-270 -1270,-10 -1208,52 -1208,578 v1(-1235.74,605.74) ; v7(-1162.47,1011.65) -1162.47,1018.77 -1164.37,1020.67 U10.1@-1102.36,1020.67
  Solder Side w8: v1(-1235.74,605.74) -1235.74,695.74 -1230,701.48 -1230,970.57 -1188.91,1011.65 v7(-1162.47,1011.65)
NetD6_A: D6.A R76.1 | length 77.7
  Component Side w8: R76.1@1798.23,976.38 1838.58,936.02 D6.A@1838.58,915.35